# Altium PCB Bidir_Active_Rectifier-Main_Board.PcbDoc (part 2 of 3) (continued)
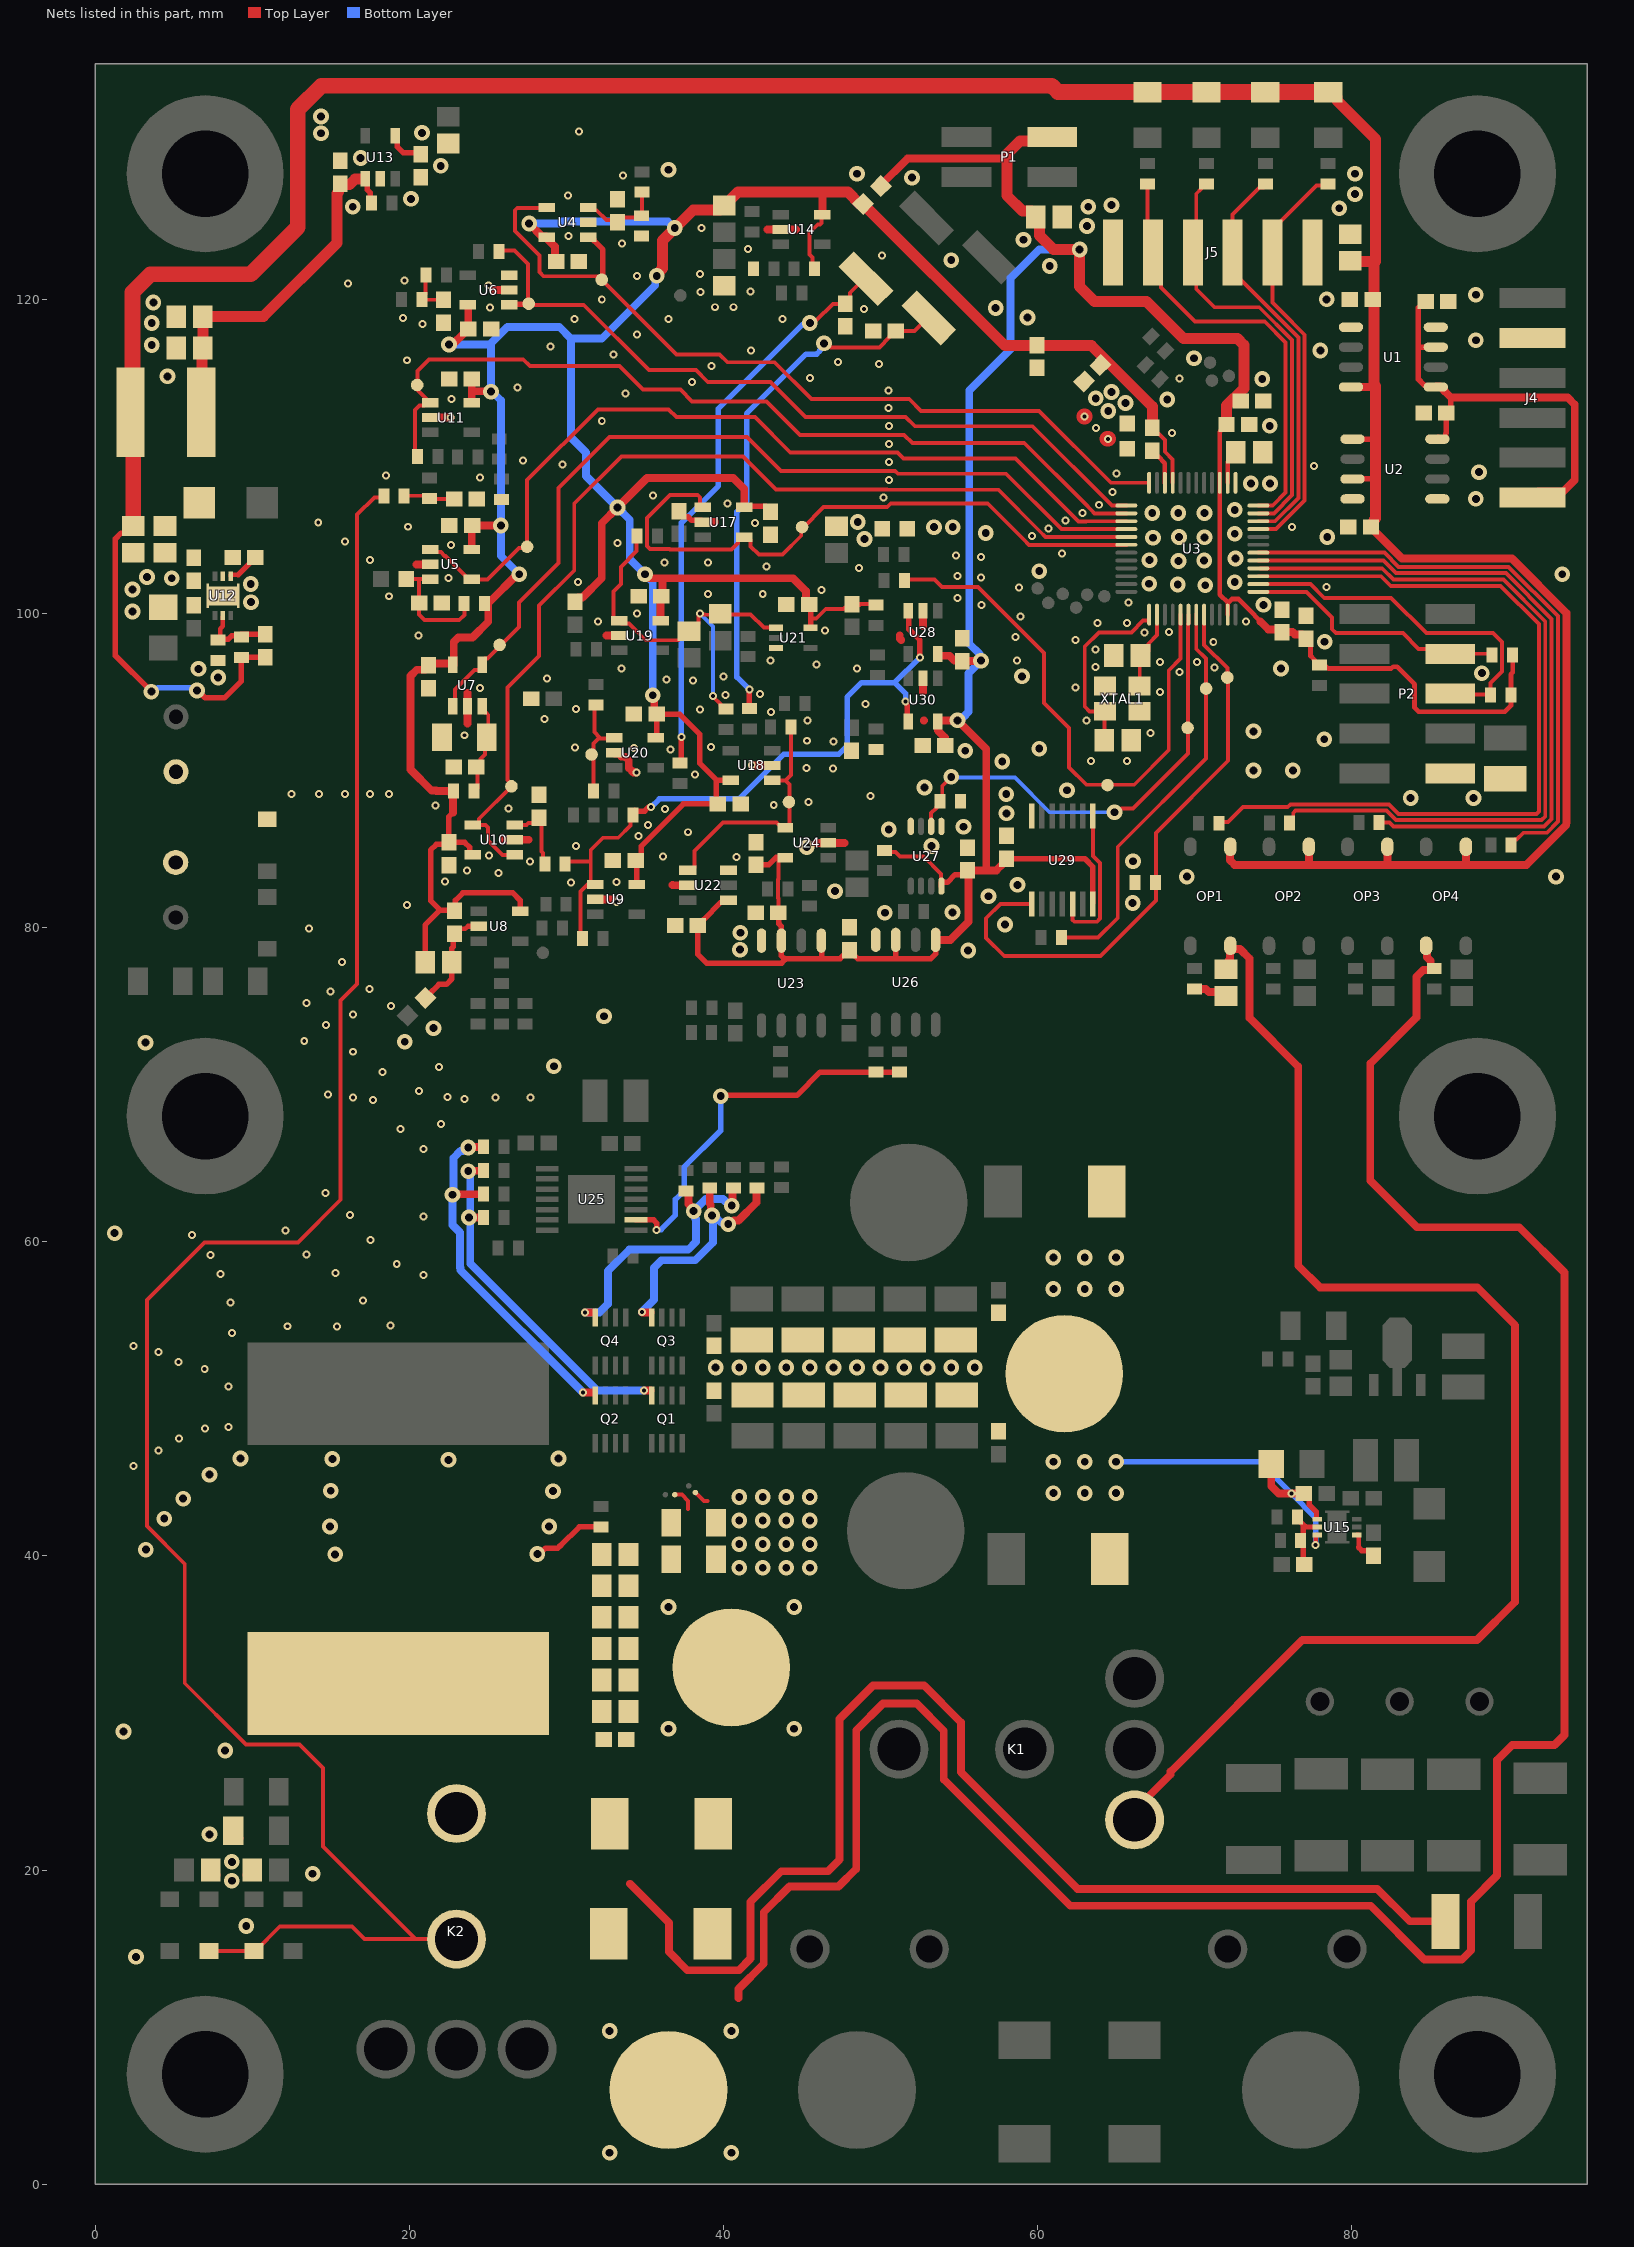
[diagram p2: the nets of this part, all layers, seen from the top]
## Part data (continued)
U12 U15: "IC Reg Buck Adj 600MA HSNT-8(203", Manufacturer=ABLIC, Supplier Part Number 1=1662-S-8580AA-A6T8U7CT-ND, Category="Voltage Regulators - Switching", ClassName="Power Components", Manufacturer Part Number=S-8580AA-A6T8U7, Pricing 1="1=1.67000, 10=1.49500, 25=1.41880, 100=1.16540, 250=1.08936, 500=0.96270, 1000=0.76002, 2500=0.71700 (USD)", RoHS=Yes, Stock 1=3857, Supplier 1=Digi-Key
U13: "MAX8877 Series 3.3 V 150 mA Fixed Low-Dropout Linear Regulator - SOT-23-5", Case/Package=SOT-23, Dropout Voltage=165mV, Input Bias Current=100uA, Manufacturer=Maxim, Max Input Voltage=6.5V, Max Operating Temperature=85°C, Max Output Current=150mA, Max Power Dissipation=571mW, Min Current Limit=160mA, Min Input Voltage=2.5V, Min Operating Temperature=-40°C, Nominal Output Voltage=3.3V, Package Quantity=2500, Reference Voltage=1.25V, Supplier Part Number 1=MAX8877EUK33+CT-ND, Accuracy=3%, Category="Voltage Regulators - Linear", ComponentLink1Description=https://datasheet.ciiva.com/26902/max8877euk33-t-26902910.pdf?src-supplier=IIIC, ComponentLink1URL=https://datasheet.ciiva.com/26902/max8877euk33-t-26902910.pdf?src-supplier=IIIC, ComponentLink2Description=https://datasheet.ciiva.com/2068/max8877-max8878-2068237.pdf?src-supplier=Digi-Key, ComponentLink2URL=https://datasheet.ciiva.com/2068/max8877-max8878-2068237.pdf?src-supplier=Digi-Key, ComponentLink3Description=https://datasheet.ciiva.com/14281/max8877-max8878-14281815.pdf?src-supplier=Avnet, ComponentLink3URL=https://datasheet.ciiva.com/14281/max8877-max8878-14281815.pdf?src-supplier=Avnet, ComponentLink4Description=https://datasheet.ciiva.com/12956/max8877-max8878-109692-12956680.pdf?src-supplier=Mouser, ComponentLink4URL=https://datasheet.ciiva.com/12956/max8877-max8878-109692-12956680.pdf?src-supplier=Mouser, ComponentLink5Description=https://datasheet.ciiva.com/17362/max8877-max8878-17362607.pdf?src-supplier=Avnet+Europe, ComponentLink5URL=https://datasheet.ciiva.com/17362/max8877-max8878-17362607.pdf?src-supplier=Avnet+Europe, Contact Plating=Tin,Matte, Lead Free="Lead Free", Manufacturer Part Number=MAX8877EUK33+T, Mount="Surface Mount", Number of Outputs=1, Number of Pins=5, Number of Regulators=1, Output Current=150mA, Output Type=Fixed, Output Voltage=3.3V, Packaging="Tape and Reel", Polarity=Positive, Pricing 1="1=2.21000, 10=1.98800, 25=1.87520, 100=1.59750, 250=1.50000, 500=1.31250, 1000=1.12500 (USD)", Quiescent Current=100uA, Radiation Hardening=No, REACH SVHC=Unknown, RoHS=Yes, RoHS Compliant=Yes, Series=-, Stock 1=350, Supplier 1=Digi-Key
U16: "IC REG LINEAR 5V 100MA SOT89-3", Junction to Case="28.3 C/W", Manufacturer=Diodes, Max Processing Temp=260, Maximum Input Voltage="30 V", Maximum Output Current="0.1 A", Maximum Power Dissipation="750 mW", Maximum Quiescent Current="5.5 mA", Operating Temperature="-40 to 125 C", Output Voltage="5 V", Supplier Part Number 1=AS78L05RTR-E1DICT-ND, Typical Dropout Voltage @ Current="1.7@40mA|1.8@100mA V", Typical Power Dissipation="0.75 W", Typical Quiescent Current="3 mA", Accuracy="5 %", ComponentLink1Description=http://www.diodes.com/datasheets/AS78Lxx.pdf?src-supplier=Avnet, ComponentLink1URL=http://www.diodes.com/datasheets/AS78Lxx.pdf?src-supplier=Avnet, Function=Standard, Junction to Ambient="180 C/W", Line Regulation="150 mV", Load Regulation="60 mV", Manufacturer Part Number=AS78L05RTR-E1, Mounting="Surface Mount", Number of Outputs=1, Output Type=Fixed, Polarity=Positive, Pricing 1="1=0.37, 10=0.277, 25=0.25, 100=0.1364, 250=0.1318, 500=0.1182 (USD)", Screening Level="Extended Industrial", Stock 1=12160, Supplier 1=Digi-Key
U21: "5-V, 1: 1 (SPST), 1-channel general-purpose analog switch (active high) 5-SC70 -40 to 85", Case/Package=SC, High Level Output Current=40mA, Manufacturer="Texas Instruments", Max Operating Temperature=85°C, Max Supply Current=250nA, Max Supply Voltage=5.5V, Min Operating Temperature=-40°C, Min Supply Voltage=2V, Nominal Supply Current=10nA, On-State Resistance=8R, Package Quantity=1, Supplier Part Number 1=296-17706-1-ND, Bandwidth=450MHz, Category="Decoders and Multiplexers", ComponentLink1Description=https://datasheet.ciiva.com/23820/1716484-23820096.pdf?src-supplier=Newark, ComponentLink1URL=https://datasheet.ciiva.com/23820/1716484-23820096.pdf?src-supplier=Newark, ComponentLink2Description=https://datasheet.ciiva.com/15127/getdatasheetpartid-251243-15127581.pdf?src-supplier=Verical, ComponentLink2URL=https://datasheet.ciiva.com/15127/getdatasheetpartid-251243-15127581.pdf?src-supplier=Verical, ComponentLink3Description=https://datasheet.ciiva.com/2980/ts5a4594-2980107.pdf?src-supplier=Avnet, ComponentLink3URL=https://datasheet.ciiva.com/2980/ts5a4594-2980107.pdf?src-supplier=Avnet, ComponentLink4Description=https://datasheet.ciiva.com/6639/ts5a4594-6639787.pdf?src-supplier=Digi-Key, ComponentLink4URL=https://datasheet.ciiva.com/6639/ts5a4594-6639787.pdf?src-supplier=Digi-Key, ComponentLink5Description=https://datasheet.ciiva.com/6639/ts5a4594-6639788.pdf?src-supplier=Digi-Key, ComponentLink5URL=https://datasheet.ciiva.com/6639/ts5a4594-6639788.pdf?src-supplier=Digi-Key, ComponentLink6Description=https://datasheet.ciiva.com/22652/1882039-22652693.pdf?src-supplier=Element14, ComponentLink6URL=https://datasheet.ciiva.com/22652/1882039-22652693.pdf?src-supplier=Element14, ComponentLink7Description=https://datasheet.ciiva.com/26227/ts5a4594-26227868.pdf?src-supplier=Avnet+Europe, ComponentLink7URL=https://datasheet.ciiva.com/26227/ts5a4594-26227868.pdf?src-supplier=Avnet+Europe, ComponentLink8Description=https://datasheet.ciiva.com/41461/001187252-da-01-en-ic-switch-spst-ts5a4594dckr-sc-70-5-tid-41461771.pdf?src-supplier=Conrad, ComponentLink8URL=https://datasheet.ciiva.com/41461/001187252-da-01-en-ic-switch-spst-ts5a4594dckr-sc-70-5-tid-41461771.pdf?src-supplier=Conrad, Contact Plating=Gold, Height=0.9mm, Lead Free="Lead Free", Length=2mm, Low Level Output Current=40mA, Manufacturer Part Number=TS5A4594DCKR, Mount="Surface Mount", Number of Bits=1, Number of Channels=1, Number of Inputs=1, Number of Outputs=1, Number of Pins=5, Operating Supply Current=10nA, Packaging="Tape and Reel", Polarity=Non-Inverting, Pricing 1="1=0.55000, 10=0.46900, 25=0.43760, 100=0.35020, 250=0.32520, 500=0.27518, 1000=0.21264 (USD)", Radiation Hardening=No, REACH SVHC="No SVHC", RoHS=Yes, RoHS Compliant=Yes, Series=-, Stock 1=825, Supplier 1=Digi-Key, Supply Current=10nA, Supply Type=Single, Throw Configuration=SPST, Turn-Off Delay Time=14ns, Turn-On Delay Time=17ns, Weight=8.8E-05oz, Width=1.25mm
U22: "4.5ns, Rail-to-Rail, High Speed Comparator with Shutdown 6-SOT-23 -40 to 125", Case/Package=SOT-23-6, Input Bias Current=10pA, Input Offset Voltage (Vos)=6.5mV, Manufacturer="Texas Instruments", Max Operating Temperature=125°C, Max Supply Current=5mA, Max Supply Voltage=5.5V, Min Operating Temperature=-40°C, Min Supply Voltage=2.7V, Output Current=74mA, Package Quantity=3000, Power Supply Rejection Ratio (PSRR)=100dB, Supplier Part Number 1=296-35977-1-ND, Category="Amplifiers - Op Amps, Buffer, Instrumentation", Common Mode Rejection Ratio=70dB, ComponentLink1Description=https://datasheet.ciiva.com/15131/getdatasheetpartid-241545-15131062.pdf?src-supplier=Verical, ComponentLink1URL=https://datasheet.ciiva.com/15131/getdatasheetpartid-241545-15131062.pdf?src-supplier=Verical, ComponentLink2Description=https://datasheet.ciiva.com/26859/tlv3501aidbvr-26859086.pdf?src-supplier=IIIC, ComponentLink2URL=https://datasheet.ciiva.com/26859/tlv3501aidbvr-26859086.pdf?src-supplier=IIIC, ComponentLink3Description=https://datasheet.ciiva.com/2970/tlv3501-2970692.pdf?src-supplier=Avnet, ComponentLink3URL=https://datasheet.ciiva.com/2970/tlv3501-2970692.pdf?src-supplier=Avnet, ComponentLink4Description=https://datasheet.ciiva.com/2971/tlv3501-2971352.pdf?src-supplier=Avnet, ComponentLink4URL=https://datasheet.ciiva.com/2971/tlv3501-2971352.pdf?src-supplier=Avnet, ComponentLink5Description=https://datasheet.ciiva.com/18621/tlv3501-18621653.pdf?src-supplier=Digi-Key, ComponentLink5URL=https://datasheet.ciiva.com/18621/tlv3501-18621653.pdf?src-supplier=Digi-Key, ComponentLink6Description=https://datasheet.ciiva.com/18621/tlv3501-18621654.pdf?src-supplier=Digi-Key, ComponentLink6URL=https://datasheet.ciiva.com/18621/tlv3501-18621654.pdf?src-supplier=Digi-Key, ComponentLink7Description=https://datasheet.ciiva.com/18621/tlv3501-18621655.pdf?src-supplier=Digi-Key, ComponentLink7URL=https://datasheet.ciiva.com/18621/tlv3501-18621655.pdf?src-supplier=Digi-Key, Contact Plating=Gold, Hysteresis=6mV, Lead Free="Lead Free", Manufacturer Part Number=TLV3501AIDBVR, Max Input Current=10pA, Mount="Surface Mount", Nominal Supply Current=5mA, Number of Channels=1, Number of Elements=1, Number of Pins=6, Output Type=PUSH-PULL,TTL, Packaging="Tape and Reel", Pricing 1="1=3.46000, 10=3.10800, 25=2.93840, 100=2.54650, 250=2.41596, 500=2.16782, 1000=2.15600 (USD)", Propagation Delay=10ns, Quiescent Current=5mA, Radiation Hardening=No, REACH SVHC="No SVHC", Response Time=0.0045us, RoHS=Yes, RoHS Compliant=Yes, Series=-, Supplier 1=Digi-Key, Supply Current=5mA, Technology=CMOS, Type="General Purpose"
U24 U28 U30: "MAX9140 Series 5.5 V 320 nA SMT Single General Purpose Comparator - SOT-23-5", Case/Package=SOT-23-5, Input Bias Current=320nA, Input Offset Voltage (Vos)=2mV, Manufacturer=Maxim, Max Operating Temperature=85°C, Max Power Dissipation=571mW, Max Supply Current=300uA, Max Supply Voltage=5.5V, Min Operating Temperature=-40°C, Min Supply Voltage=2.7V, Package Quantity=1, Power Supply Rejection Ratio (PSRR)=81.94dB, Supplier Part Number 1=MAX9140EUK+TCT-ND, Category="Amplifiers - Op Amps, Buffer, Instrumentation", Common Mode Rejection Ratio=81.94dB, ComponentLink1Description=https://datasheet.ciiva.com/26860/max9140euk-t-26860025.pdf?src-supplier=IIIC, ComponentLink1URL=https://datasheet.ciiva.com/26860/max9140euk-t-26860025.pdf?src-supplier=IIIC, ComponentLink2Description=https://datasheet.ciiva.com/1828/max9140-max9144-1828135.pdf?src-supplier=Digi-Key, ComponentLink2URL=https://datasheet.ciiva.com/1828/max9140-max9144-1828135.pdf?src-supplier=Digi-Key, ComponentLink3Description=https://datasheet.ciiva.com/1828/max9140-max9144-1828136.pdf?src-supplier=Digi-Key, ComponentLink3URL=https://datasheet.ciiva.com/1828/max9140-max9144-1828136.pdf?src-supplier=Digi-Key, ComponentLink4Description=https://datasheet.ciiva.com/1828/max9140-max9144-1828137.pdf?src-supplier=Digi-Key, ComponentLink4URL=https://datasheet.ciiva.com/1828/max9140-max9144-1828137.pdf?src-supplier=Digi-Key, ComponentLink5Description=https://datasheet.ciiva.com/2971/max9140-max9144-2971023.pdf?src-supplier=Avnet, ComponentLink5URL=https://datasheet.ciiva.com/2971/max9140-max9144-2971023.pdf?src-supplier=Avnet, ComponentLink6Description=https://datasheet.ciiva.com/2972/max9140-max9144-2972552.pdf?src-supplier=Avnet, ComponentLink6URL=https://datasheet.ciiva.com/2972/max9140-max9144-2972552.pdf?src-supplier=Avnet, ComponentLink7Description=https://datasheet.ciiva.com/1483/max9140-max9144-1483424.pdf?src-supplier=Element14, ComponentLink7URL=https://datasheet.ciiva.com/1483/max9140-max9144-1483424.pdf?src-supplier=Element14, Height=1.3mm, Hysteresis=1.5mV, Lead Free="Lead Free", Length=3mm, Manufacturer Part Number=MAX9140EUK+T, Max Input Current=320nA, Mount="Surface Mount", Nominal Supply Current=300uA, Number of Channels=1, Number of Elements=1, Number of Pins=5, Output Type=TTL,PUSH-PULL, Packaging="Tape and Reel", Propagation Delay=40ns, Quiescent Current=300uA, Radiation Hardening=No, REACH SVHC="No SVHC", Response Time=40ns, RoHS=Yes, Series=-, Supplier 1=Digi-Key, Supply Current=300uA, Type="General Purpose", Width=1.75mm
U25: "100V Boot, 4A Peak, Half-Bridge Driver with Single PWM Input and Adaptive Dead Time Control", Manufacturer=Renesas, Supplier Part Number 1=ISL78424AVEZ-T7ACT-ND, ClassName="Power Components", ComponentLink1Description=https://www.renesas.com/us/en/www/doc/datasheet/isl78424-34-44.pdf?src-supplier=Digi-Key, ComponentLink1URL=https://www.renesas.com/us/en/www/doc/datasheet/isl78424-34-44.pdf?src-supplier=Digi-Key, Manufacturer Part Number=ISL78424AVEZ-T7A, Packaging="Cut Tape", Pricing 1="1=5.00000, 10=4.49100, 25=4.24520, 100=3.67930 (USD)", RoHS=Yes, RoHS Compliant=Yes, Stock 1=405, Supplier 1=Digi-Key
U27: "Single retriggerable monostable multivibrator with Schmitt-trigger inputs 8-SM8 -40 to 125", Case/Package=SSOP, High Level Output Current=-32mA, Low Level Output Current=32mA, Manufacturer="Texas Instruments", Max Operating Temperature=125°C, Max Supply Current=20uA, Max Supply Voltage=5.5V, Min Operating Temperature=-40°C, Min Supply Voltage=1.65V, Operating Supply Voltage=5V, Package Quantity=3000, Supplier Part Number 1=296-18758-1-ND, Category="Logic Gates", ComponentLink1Description=https://datasheet.ciiva.com/27051/1044128-27051306.pdf?src-supplier=Jameco, ComponentLink1URL=https://datasheet.ciiva.com/27051/1044128-27051306.pdf?src-supplier=Jameco, ComponentLink2Description=https://datasheet.ciiva.com/1509/1633772-1509244.pdf?src-supplier=Element14, ComponentLink2URL=https://datasheet.ciiva.com/1509/1633772-1509244.pdf?src-supplier=Element14, ComponentLink3Description=https://datasheet.ciiva.com/15095/getdatasheetpartid-189666-15095186.pdf?src-supplier=Verical, ComponentLink3URL=https://datasheet.ciiva.com/15095/getdatasheetpartid-189666-15095186.pdf?src-supplier=Verical, ComponentLink4Description=https://datasheet.ciiva.com/46395/1864414-46395805.pdf?src-supplier=Element14, ComponentLink4URL=https://datasheet.ciiva.com/46395/1864414-46395805.pdf?src-supplier=Element14, ComponentLink5Description=https://datasheet.ciiva.com/1885/sn74lvc1g123-1885094.pdf?src-supplier=Digi-Key, ComponentLink5URL=https://datasheet.ciiva.com/1885/sn74lvc1g123-1885094.pdf?src-supplier=Digi-Key, ComponentLink6Description=https://datasheet.ciiva.com/1885/sn74lvc1g123-1885093.pdf?src-supplier=Digi-Key, ComponentLink6URL=https://datasheet.ciiva.com/1885/sn74lvc1g123-1885093.pdf?src-supplier=Digi-Key, ComponentLink7Description=https://datasheet.ciiva.com/1885/sn74lvc1g123-1885095.pdf?src-supplier=Digi-Key, ComponentLink7URL=https://datasheet.ciiva.com/1885/sn74lvc1g123-1885095.pdf?src-supplier=Digi-Key, ComponentLink8Description=https://datasheet.ciiva.com/26041/sn74lvc1g123-26041749.pdf?src-supplier=Avnet+Europe, ComponentLink8URL=https://datasheet.ciiva.com/26041/sn74lvc1g123-26041749.pdf?src-supplier=Avnet+Europe, Contact Plating=Gold, Height=1.29mm, Independent Circuits=1, Lead Free="Lead Free", Length=2.95mm, Logic Function=Multivibrator, Manufacturer Part Number=SN74LVC1G123DCTR, Mount="Surface Mount", Number of Bits=1, Number of Elements=1, Number of Pins=8, Output Current=32mA, Packaging="Tape and Reel", Pricing 1="1=0.68000, 10=0.60200, 25=0.56520, 100=0.46130, 250=0.42844, 500=0.36464, 1000=0.30100 (USD)", Propagation Delay=18.5ns, Quiescent Current=20uA, Radiation Hardening=No, REACH SVHC="No SVHC", Rise Time=2.5ns, RoHS=Yes, RoHS Compliant=Yes, Schmitt Trigger Input=Yes, Supplier 1=Digi-Key, Termination=SMD/SMT, Turn-On Delay Time=18.6ns, Weight=0.000825oz, Width=2.8mm
U29: "4-ch, 2-input, 1.5-V to 3.6-V NOR gates 14-TSSOP -40 to 125", Case/Package=TSSOP, High Level Output Current=-24mA, Low Level Output Current=24mA, Manufacturer="Texas Instruments", Max Operating Temperature=125°C, Max Supply Voltage=3.6V, Min Operating Temperature=-40°C, Min Supply Voltage=1.65V, Package Quantity=90, Quiescent Current=1uA, Supplier Part Number 1=296-26571-5-ND, Category="Logic Gates", ComponentLink1Description=https://datasheet.ciiva.com/7398/74362-7398997.pdf?src-supplier=Newark, ComponentLink1URL=https://datasheet.ciiva.com/7398/74362-7398997.pdf?src-supplier=Newark, ComponentLink2Description=https://datasheet.ciiva.com/7783/sn74lvc02a-7783384.pdf?src-supplier=Element14, ComponentLink2URL=https://datasheet.ciiva.com/7783/sn74lvc02a-7783384.pdf?src-supplier=Element14, ComponentLink3Description=https://datasheet.ciiva.com/1866/sn74lvc02a-1866566.pdf?src-supplier=Digi-Key, ComponentLink3URL=https://datasheet.ciiva.com/1866/sn74lvc02a-1866566.pdf?src-supplier=Digi-Key, Lead Free="Lead Free", Logic Function="NOR GATE", Manufacturer Part Number=SN74LVC02APW, Max Output Current=24mA, Mount="Surface Mount", Number of Bits=4, Number of Circuits=4, Number of Elements=4, Number of Gates=4, Number of Input Lines=2, Number of Inputs=2, Number of Output Lines=1, Number of Outputs=1, Number of Pins=14, Output Current=24mA, Packaging=Rail/Tube, Pricing 1="1=0.98000, 10=0.87200, 25=0.82800, 100=0.68020, 250=0.63584, 500=0.56190, 1000=0.48825 (USD)", Propagation Delay=4.2ns, Radiation Hardening=No, REACH SVHC="No SVHC", RoHS=Yes, RoHS Compliant=Yes, Series=74LVC, Stock 1=1233, Supplier 1=Digi-Key, Technology=CMOS, Turn-On Delay Time=4.4ns, Weight=0.002018oz
XTAL1: "CRYSTAL 12.00 MHZ 18.0PF SMD", Case/Package=SMD/SMT, ESR (Equivalent Series Resistance)=100R, Frequency=12MHz, Frequency Stability=30ppm, Frequency Tolerance=20ppm, Load Capacitance=18pF, Manufacturer=Epson, Manufacturer Part Number="FA-238V 12.0000MA-C5", Max Operating Temperature=70°C, Min Operating Temperature=-20°C, Supplier Part Number 1=SER4265CT-ND, Category=Crystals, ComponentLink1Description=https://support.epson.biz/td/api/doc_check.php?dl=brief_FA-238V_en.pdf&src-supplier=Digi-Key, ComponentLink1URL=https://support.epson.biz/td/api/doc_check.php?dl=brief_FA-238V_en.pdf&src-supplier=Digi-Key, Height=0.028inch, Length=0.126inch, Mount="Surface Mount", Packaging="Tape and Reel", Pricing 1="1=1.04000, 10=0.92000, 50=0.86000, 100=0.76000, 500=0.72000, 1000=0.60000 (USD)", RoHS=Yes, RoHS Compliant=Yes, Stock 1=7870, Supplier 1=Digi-Key, Width=0.098inch
NT1 NT2: Class Name="Power Components"

## Free pads (board coordinates)
  round 10 hole 5.5: 1(7,7) 1(7,68) 1(7,128) 1(88,128) 1(88,7) 1(88,68)
  round 0.8 smd: 1(72.075,95.925) 4(64.45,89.075) 5(70.725,95.225) 6(69.55,92.725) 8(37.25,120.25) 9(32.25,121.25) 10(27.6,119.725) 11(20.5,114.55) 12(27.5,104.25) 13(25.75,98) 14(26.5,89) 15(45,105.5) 16(31.6,91.025) 16(44.164,87.999) 19(28.5,78.4)

## Via types
v1: diameter 0.508, hole 0.254, Top Layer to Bottom Layer, tented both sides, 300 vias
v2: diameter 1, hole 0.5, Top Layer to Bottom Layer, tented both sides, 283 vias
v3: diameter 1, hole 0.5, Top Layer to Bottom Layer, tented bottom, 5 vias
v4: diameter 2, hole 1, Top Layer to Bottom Layer, tented both sides, 2 vias
v5: diameter 0.508, hole 0.254, Top Layer to Bottom Layer, tented bottom, 1 vias

## Nets (pads, with @x,y where several pads share a name; then routed paths per layer and width w, separated by ;. In a path a pad name is that pad's centre, name@x,y a point inside that pad or via, vN(x,y) a via of type N, cw(c..) or ccw(c..) an arc to the next point about the centre after c; other vN are vias at no path point)
3V3_EXT: C23.2 C25.2 J4.1 U1.1 U1.3 U2.8 | length 29.1
  Top Layer w0.35: C23.2@84.7,119.875 84.65,119.875 84.235,119.46 84.235,116.96 ; U2.8@84.893,111.187 U2.8@84.937,111.187 ; U1.3@85.35,116.96 84.235,116.96 ; U2.8@85.466,111.187 U2.8@85.5,111.22 ; U2.8@85.725,111.2 85.952,111.2 85.973,111.22 85.973,111.448 86.025,111.5 C25.2@86.025,112.775 86.3,113.05 86.3,113.775 ; U1.1@85.873,114.202 85.873,114.305 85.844,114.333 85.752,114.425 85.65,114.425 85.375,114.425 84.802,114.425 84.682,114.545 84.605,114.545 84.235,114.915 84.235,116.96
  Top Layer w0.5: U1.1@85.375,114.45 85.625,114.45 U1.1@85.65,114.425 ; U1.1@85.752,114.425 85.793,114.425 85.844,114.374 85.844,114.333 85.844,114.231 85.873,114.202 86.112,113.963 86.325,113.75 93.75,113.75 94.2,113.3 94.2,108.5 93.465,107.765 91.885,107.765 J4.1@91.5,107.38 J4.1@91.142,107.738
+3.3V_Reg: C30.2 C31.2 C32.2 C33.2 C58.2 C95.2 C96.2 C97.2 C103.2 C104.2 C105.2 C106.2 C107.2 L4.1 P1.3 R3.2 R4.2 R5.2 R89.2 U3.23 U3.39 U22.4 U23.1 U23.3 U24.5 U26.1 U26.3 U27.8 U28.5 U29.14 U30.5 | length 188.9
  Top Layer w0.25: C96.2@43.5,80.95 43.5,81.858 43.473,81.885 43.473,83.065 43.5,83.092 U24.5@43.5,84.4 ; R89.2@50.25,84.925 50.354,84.821 50.954,84.821 51.25,84.525 52.75,84.525 53.85,83.425 U27.8@53.85,82.941
  Top Layer w0.3: C31.2@72,111.975 71.925,111.975 71.65,111.7 71.65,111.625 71.6,111.575 71.6,110.05 U3.39@71.6,108.325 71.6,101.2 72.125,100.675 ; U3.23@72.1,99.925 72.1,100.65 72.125,100.675 ; 74.175,99.5 73.819,99.856 73.819,99.896 72.787,100.927 72.377,100.927 72.125,100.675 ; C32.2@76.988,98.312 77.375,97.925 77.375,97.3 77.625,97.05 77.625,96.925 77.825,96.725 R5.2@77.95,96.725 ; R5.2@78,96.75 78.25,96.75 78.5,96.5 82.52,96.5 82.636,96.616 82.884,96.616 84,95.5 84,94 84.25,93.75 89.75,93.75 90.132,94.132 R4.2@90.132,94.807 90.132,96.132 90.25,96.25 90.25,97.339 R3.2@90.232,97.357
  Top Layer w0.35: U22.4@40.4,81.7 40.325,81.625 39.85,81.625 38.725,80.5 38.725,80.45 38.425,80.15 C97.2@38.375,80.15 38.375,78.3 38.925,77.75 43.7,77.75 43.95,78 ; C95.2@42.075,84 42.875,84 43.35,84.475 43.975,84.475 U24.5@44.05,84.4 ; C96.2@43.525,81 43.525,80.25 43.674,80.101 43.674,79.191 U23.3@43.69,79.175 43.69,78.21 43.88,78.02 44.17,78.02 44.175,78.025 46.25,78.025 ; U23.1@46.25,79.155 46.25,78.025 ; U26.3@50.917,79.283 50.975,79.225 50.975,78.025 ; U26.1@53.45,79.275 53.525,79.2 53.525,78.35 53.2,78.025 50.975,78.025 ; U27.8@53.875,82.65 53.875,82.853 53.898,82.876 54.251,82.876 54.754,83.379 55.254,83.379 C106.2@55.525,83.65 ; C105.2@58.025,84.4 63,84.4 63.525,83.875 U29.14@63.525,81.575 ; 46.25,78.025 47.431,78.025 47.989,78.582 47.989,78.561 48.325,78.225 48.346,78.225 48.546,78.025 50.975,78.025
  Top Layer w0.5: L4.1@49.95,127.2 51.725,128.975 58.05,128.975 ; U26.1@53.551,79.705 53.505,79.659 U26.1@53.505,79.225 54.45,79.225 55.6,80.375 55.6,83.55 55.575,83.575 55.65,83.65 56.725,83.65 ; U30.5@53.6,93.2 53.65,93.15 U30.5@53.65,93.125 53.65,92.55 54.1,92.1 54.1,91.625 C104.2@54.125,91.6 54.12,91.6 C104.2@53.895,91.825 ; U30.5@53.7,93.2 v2(54.9,93.2) 56.725,91.375 56.725,83.65 ; U28.5@53.7,97.4 53.7,97.307 54.393,97.307 54.7,97 55.2,97 C103.2@55.212,96.987 ; C103.2@55.2,96.975 C103.2@55.212,96.987 ; C103.2@55.35,97.125 C103.2@55.212,96.987 ; v2(56.4,97) 56.387,96.987 C103.2@55.212,96.987 ; C105.2@58.05,84.325 58,84.325 57.8,84.125 57.8,84.075 57.375,83.65 56.725,83.65 ; 74.175,99.5 74.682,98.993 75.432,98.993 75.6,98.825 76.225,98.825 76.375,98.675 76.85,98.675 77.075,98.45 C32.2@77.075,98.4
  Top Layer w0.7: P1.3@60.931,130.34 60.672,130.082 58.882,130.082 58.05,129.25 58.05,128.975 58.05,126.6 59.025,125.625 59.6,125.625 60.13,125.095 60.13,124.07 61.025,123.175 v2(62.675,123.175) 62.675,120.825 63.625,119.875 66.925,119.875 69.3,117.5 72.715,117.5 73.125,117.09 73.125,114.335 72.025,113.235 C31.2@72.025,112.025
  Bottom Layer w0.5: v2(54.9,93.2) 55.035,93.2 55.285,93.45 55.307,93.45 55.6,93.743 55.6,96.2 v2(56.4,97) 56.304,97.096 56.304,97.431 55.65,98.085 55.65,114.2 58.279,116.829 58.279,121.354 60.1,123.175 v2(62.675,123.175)
+3.6V: C22.1 C24.1 C48.2 C49.2 C50.1 C57.1 C59.2 D1.2 D2.2 D3.2 D4.2 L3.2 L7.1 OP1.1 OP2.1 OP3.1 OP4.1 R31.2 U1.8 U2.1 U2.3 | length 212.9
  Top Layer w0.35: C49.2@2.025,105.175 1.975,105.125 1.65,105.125 1.275,104.75 1.275,97.325 v2(3.575,95.025) ; v2(6.475,95.1) 6.53,95.1 7.005,94.625 8.225,94.625 9.3,95.7 9.3,97.3 9.375,97.225 C57.1@10.825,97.225 ; U2.3@80.05,108.565 81.5,108.565 ; U2.1@80.05,111.105 81.5,111.105 ; 81.42,114.42 81.5,114.5
  Top Layer w0.5: OP1.1@72.27,85.15 72.25,85.13 72.25,84.293 72.543,84 77.25,84 ; OP2.1@77.27,85.15 77.27,84.02 77.25,84 ; U1.8@79.95,114.42 81.42,114.42 81.445,114.42 81.5,114.475 81.525,114.5 ; C22.1@81.225,105.5 C22.1@81.275,105.5 ; C22.1@81.45,105.25 83.2,103.5 90.2,103.5 93.675,100.025 93.675,86.675 93.652,86.652 93.652,86.532 91.121,84 87.25,84 ; OP3.1@82.27,85.15 82.27,84.02 82.25,84 ; OP4.1@87.27,85.15 87.27,84.02 87.25,84 ; 77.25,84 82.25,84 ; 82.25,84 87.25,84
  Top Layer w0.7: D4.2@78.5,133.2 78.75,133.2 79.05,132.9 79.05,132.65 81.5,130.2 81.5,122.55 ; C59.2@79.936,122.414 81.42,122.414 ; C22.1@81.275,105.5 81.4,105.625 81.4,105.935 81.5,106.035 81.5,108.565 81.5,111.105 81.5,114.475 81.5,114.5 ; 81.42,114.42 81.42,122.414 ; 81.5,122.6 81.5,122.55 ; 81.42,122.414 81.5,122.414 81.5,122.55 ; 81.42,122.414 81.42,122.47 81.5,122.55
  Top Layer w1: C49.2@2.425,105.575 2.425,111.125 2.375,111.175 2.375,120.456 3.519,121.6 9.9,121.6 12.9,124.6 12.9,132.1 14.4,133.6 60.9,133.6 61.3,133.2 D1.2@67,133.2 D2.2@70.75,133.2 D3.2@74.5,133.2 D4.2@78.5,133.2 ; C59.2@79.9,122.45 C59.2@79.936,122.414
  Bottom Layer w0.35: v2(3.575,95.025) 3.751,95.025 4.001,95.275 6.124,95.275 6.299,95.1 v2(6.475,95.1)
-1.5V: C42.1 C69.1 L8.2 U8.2 | length 6.6
  Top Layer w0.3: C42.1@22.885,79.617 23.192,79.924 23.567,79.924 23.735,80.092
  Top Layer w0.35: L8.2@21.235,75.742 21.885,76.392 22.36,76.392 22.715,76.747 22.715,77.847 22.735,77.867 22.71,77.892 22.71,78.692 22.79,78.772 22.79,79.522 C42.1@22.885,79.617 ; 23.735,80.092 U8.2@24.41,80.092
-d_TOT: pad.16@44.164,87.999 R66.1 U18.1 U22.1 U24.4 | length 15.9
  Top Layer w0.25: U22.1@37.725,83.65 37.975,83.65 38.15,83.825 38.15,84.894 39.958,86.702 43.373,86.702 43.675,86.4 44.125,86.4 44.2,86.475 44.2,89.125 43.95,89.375 ; U18.1@43.125,89.375 43.95,89.375 ; R66.1@44.3,92.775 44.3,89.725 43.95,89.375
-Error: pad.16@31.6,91.025 R62.1 R64.2 U20.1 | length 6.5
  Top Layer w0.25: R64.2@31.725,88.7 31.725,91.025 31.725,91.725 32.05,92.05 33.05,92.05 U20.1@33.075,92.075 ; R62.1@31.775,94 31.775,92.45 32.113,92.113
AC_Charge: R47.2 U3.30 | length 37.5
  Top Layer w0.25: U3.30@74.05,103.875 82.079,103.875 82.982,102.973 89.982,102.973 93.125,99.829 93.125,86.75 92.418,86.043 90.943,86.043 90.5,85.6 90.375,85.6 90.15,85.375 R47.2@90.15,85.25
AC_N: C8.1 C9.1 C10.1 C11.1 C12.1 C13.1 C14.1 J9.1 NT1.1 R1.2 R2.2 TVS3.1 TVS4.1 | length 1.7
  Top Layer w0.25: NT1.1@36.9,43.9 37.35,43.9 37.75,43.5 37.75,43
  Top Layer w0.5: R2.2@36.575,42.2 R2.2@36.675,42.1
  other v2: 36.5,29 44.5,29 36.5,36.75 44.5,36.75
AC_PERM: D6.2 D9.1 J7.1 K2.87 OP4.3 R25.1 R54.2 TVS3.2 | length 277.6
  Top Layer w0.25: D9.1@7.25,14.85 D6.2@10.1,14.85 10.2,14.85 11.75,16.4 16.35,16.4 17.15,15.6 20.4,15.6 ; R25.1@18.4,107.4 17.772,107.4 16.68,106.308 16.68,76.409 15.625,75.354 15.625,62.675 12.9,59.95 6.95,59.95 3.3,56.3 3.3,41.9 5.7,39.5 5.7,31.894 9.594,28 13,28 14.5,26.5 14.5,21.5 20.4,15.6 ; K2.87@23,15.6 20.4,15.6
  Top Layer w0.5: 40.95,11.85 40.95,12.425 42.564,14.039 42.564,17.314 44.2,18.95 47.325,18.95 48.45,20.075 48.45,28.9 50.15,30.6 52.3,30.6 54.025,28.875 54.025,25.775 62.075,17.725 81.211,17.725 84.636,14.3 87,14.3 87.6,14.9 87.6,18 89.25,19.65 89.25,27 90.215,27.965 92.913,27.965 93.545,28.597 93.545,58.04 90.659,60.926 84.159,60.926 81.176,63.909 81.176,71.341 84.123,74.288 84.123,76.873 84.55,77.3 85.15,77.3 R54.2@85.25,77.4 85.125,77.4 85.025,77.5 85.025,77.875 84.787,78.113 84.787,78.793 OP4.3@84.73,78.85
  other v2: 32.75,2 40.5,2 32.75,9.75 40.5,9.75
AC_SW: C8.2 C9.2 C10.2 C11.2 C12.2 C13.2 C14.2 K2.30 L1.1 PTC2.1 TVS4.2 | length 78.2
  Top Layer w0.5: 34.05,19.125 36.525,16.65 36.525,14.8 37.7,13.625 40.985,13.625 41.725,14.365 41.725,17.975 43.675,19.925 46.65,19.925 47.39,20.665 47.39,29.616 49.523,31.75 52.775,31.75 55.111,29.413 55.111,26.239 62.55,18.8 81.625,18.8 83.688,16.738 85.826,16.738 PTC2.1@85.928,16.84
AC_Switch: R45.2 U3.28 | length 49.1
  Top Layer w0.25: U3.28@74.175,102.875 81.941,102.875 82.648,102.168 89.648,102.168 92.32,99.496 92.32,87.599 92.32,87.083 92.084,86.848 82.82,86.848 82.397,87.27 82.215,87.452 76.421,87.452 76.275,87.306 76.275,86.9 R45.2@76.05,86.675
ADC_d_COMP: pad.15 U3.6 U17.1 U17.4 | length 41